# Altium PCB MASOUD.PcbDoc (part 1 of 5)
Units mm, origin at the board's own origin, x right, y up, seen from the top; angles counter-clockwise.
Board outline 244.28 x 142.63 mm, 2 copper layers (Top Layer, Bottom Layer); 506 components, 0 nets, 1687 pads, 863 vias.
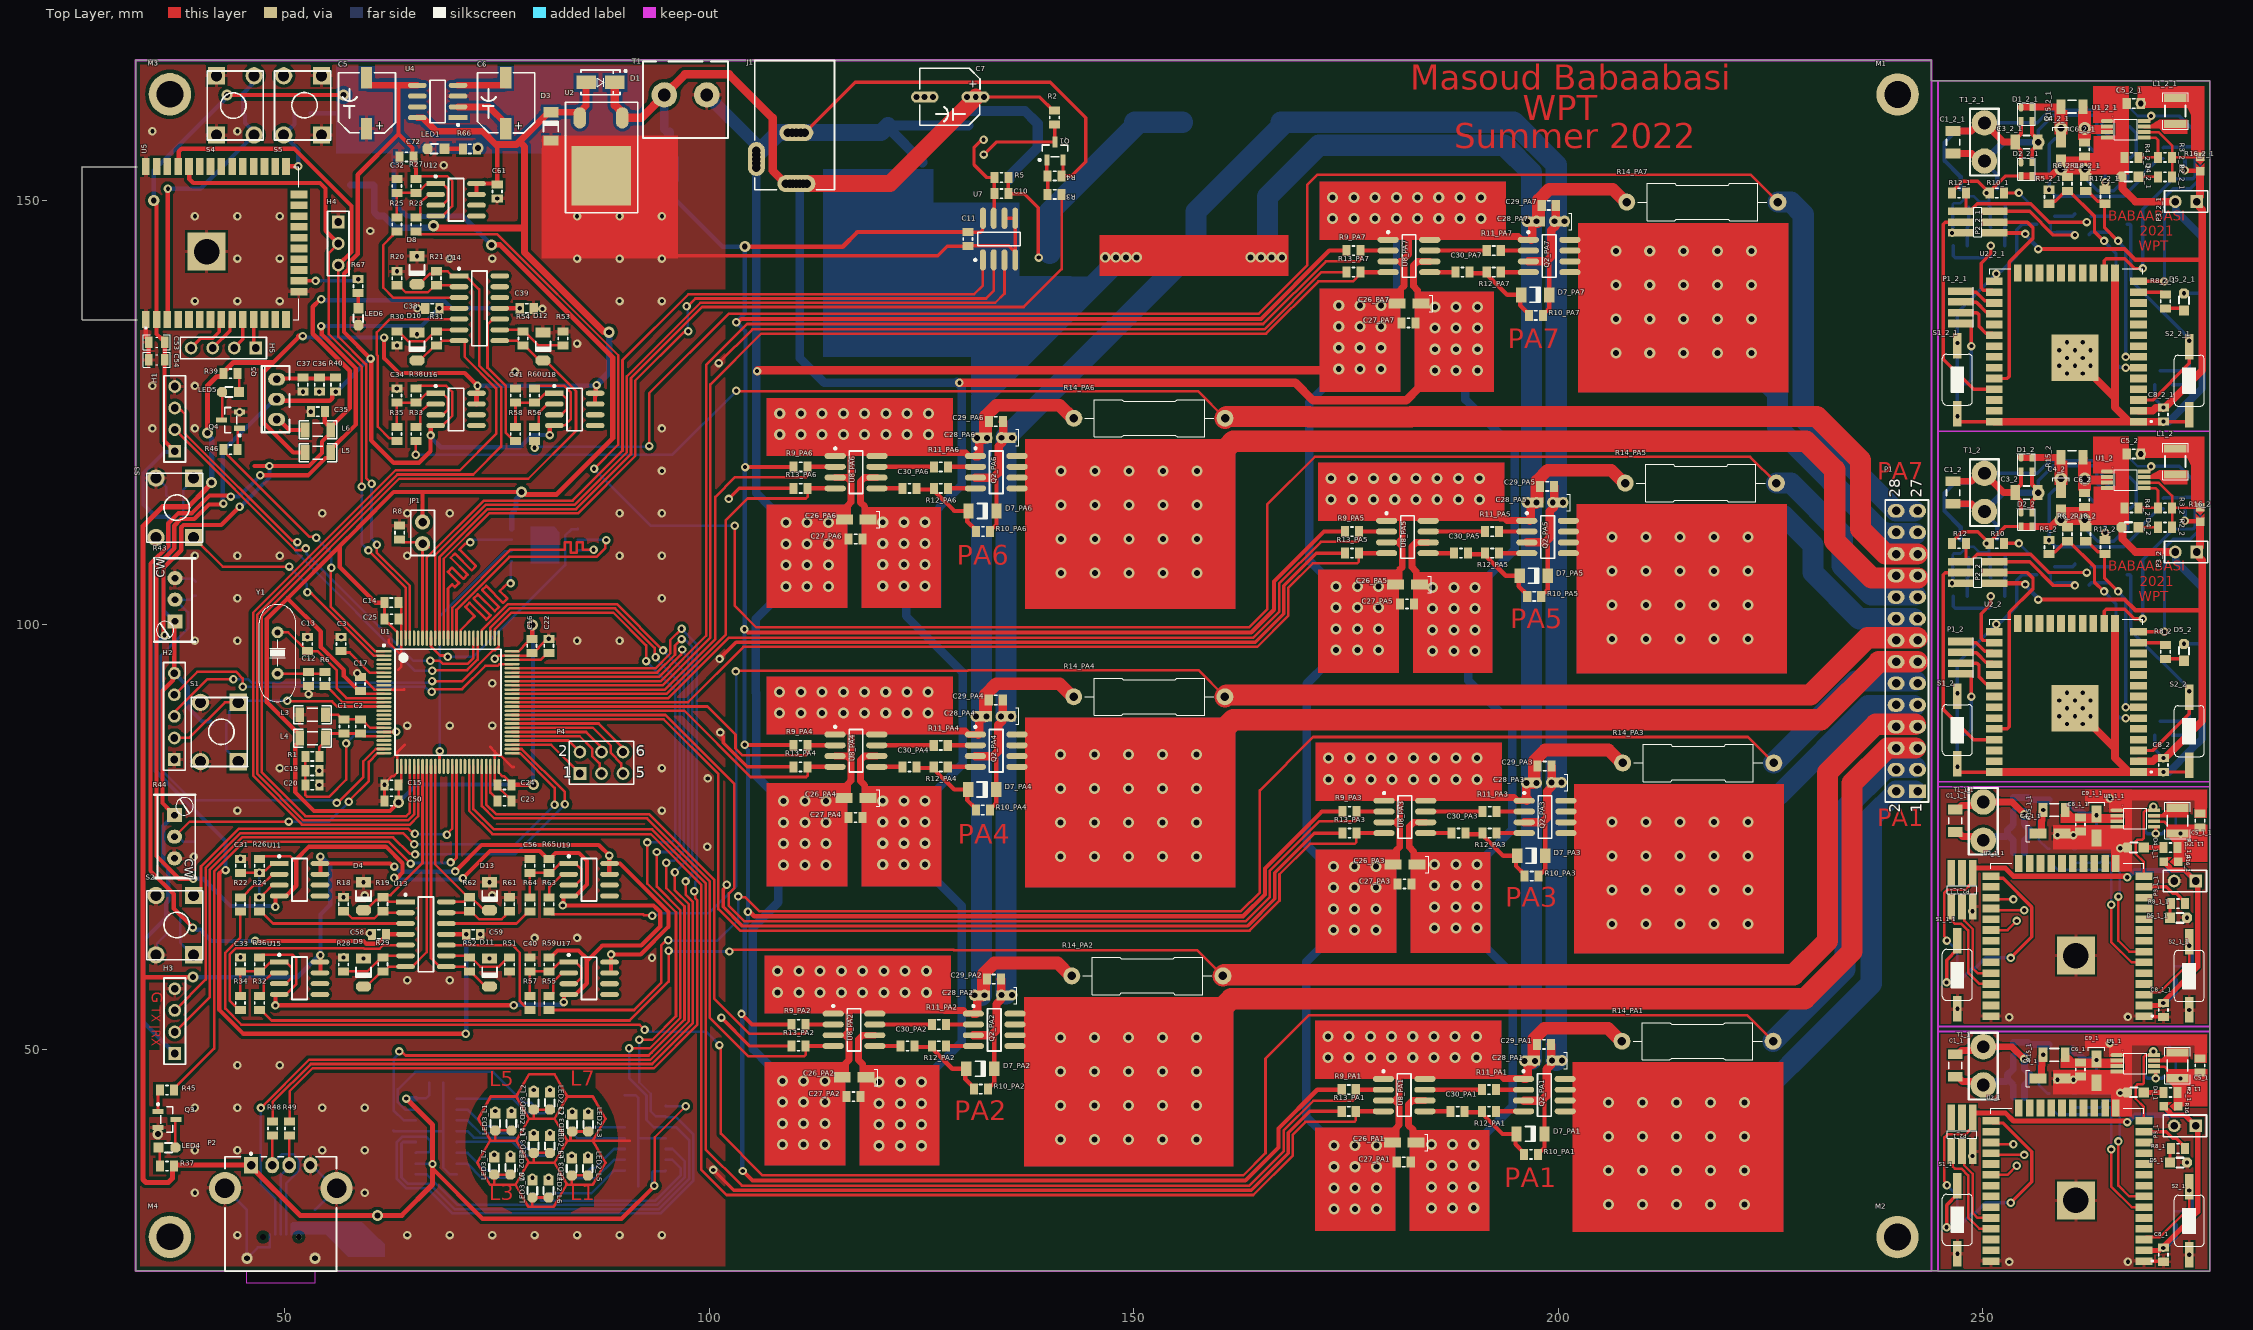
[diagram p0: Top Layer view]
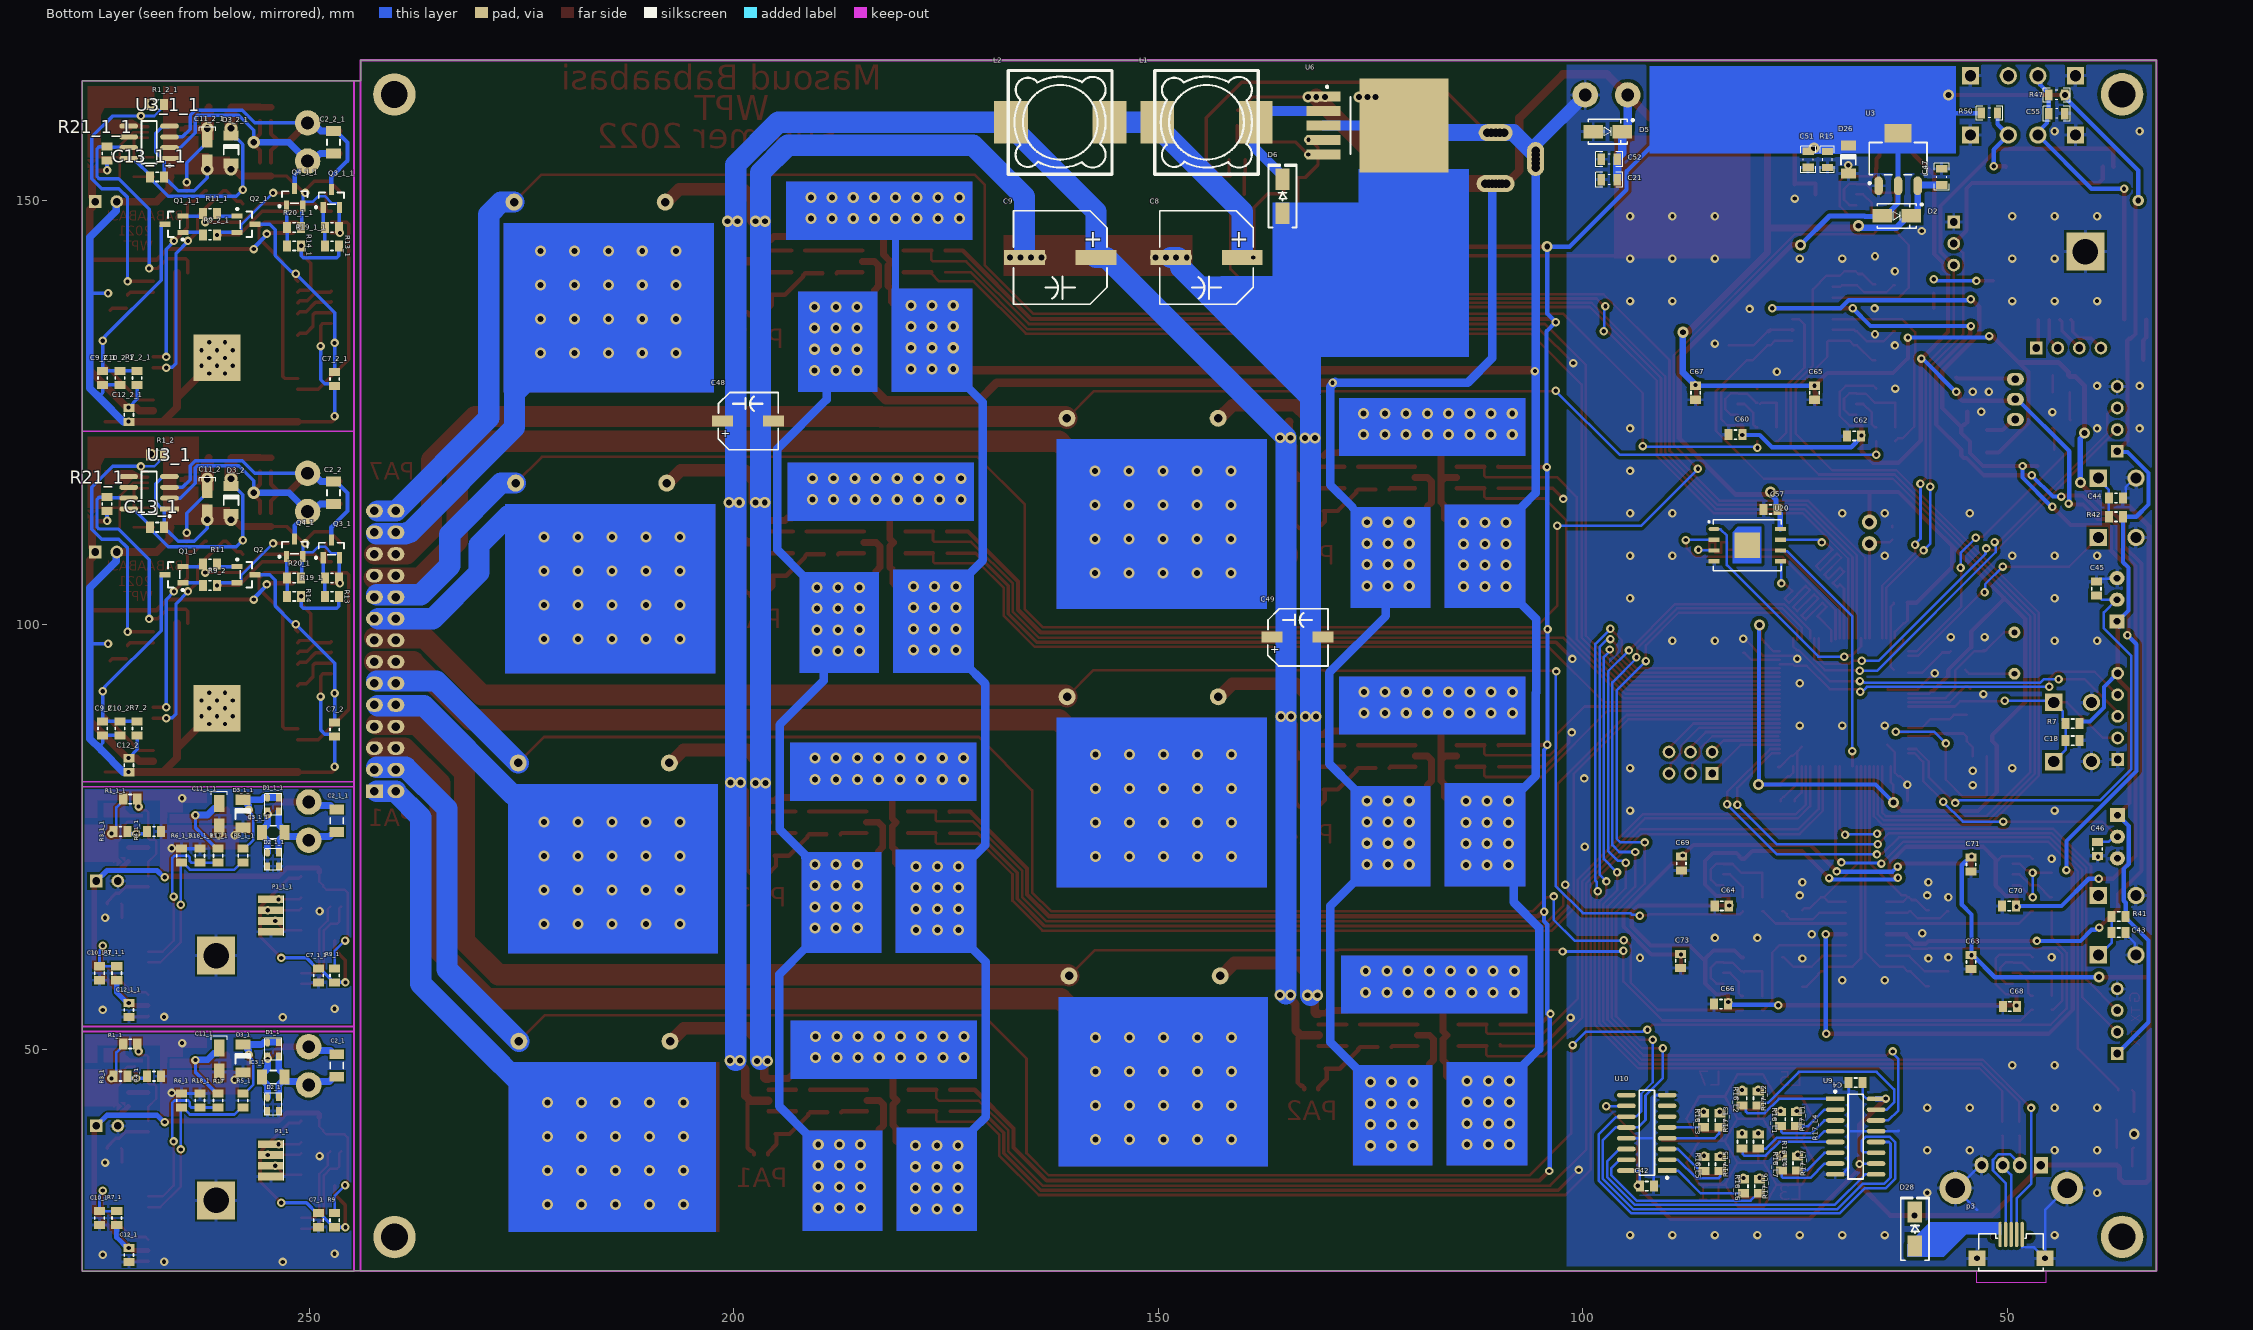
[diagram p1: Bottom Layer view, seen from below]

## Layer stack, top to bottom
Top Solder: solder mask 0.0102, Solder Resist, Dk 3.5
Top Layer: signal copper 0.0356
Dielectric 1: dielectric 0.32, FR-4, Dk 4.8
Bottom Layer: signal copper 0.0356
Bottom Solder: solder mask 0.0102, Solder Resist, Dk 3.5

## Board outline
32.46,23.935 32.46,166.51 243.96,166.51 243.96,164.084 276.736,164.084 276.736,122.813 276.736,81.542 276.733,81.542 276.733,80.958 276.733,52.705 276.733,52.129 276.733,23.876 244.729,23.876 244.729,23.935

## Design rules (kind name [scope] priority, off if disabled: settings)
Clearance [All] p1: gap=0.2 ignorepadtopadclearanceinfootprint=FALSE
PolygonConnect [All] p1: connectstyle=Relief reliefconductorwidth=0.254 reliefentries=4 polygonreliefangle="90 Angle" airgapwidth=0.254
RoomDefinition PA1 [InComponentClass('PA1')] p1: confinementstyle=ConfineIn formatcopy=TRUE lockcomponents=FALSE outline 171.34,28.507 227.093,28.507 227.093,53.399 171.34,53.399
RoomDefinition PA3 [InComponentClass('PA3')] p2: confinementstyle=ConfineIn formatcopy=TRUE lockcomponents=FALSE outline 171.421,61.27 227.174,61.27 227.174,86.162 171.421,86.162
RoomDefinition PA4 [InComponentClass('PA4')] p3: confinementstyle=ConfineIn formatcopy=TRUE lockcomponents=FALSE outline 106.778,69.069 162.531,69.069 162.531,93.961 106.778,93.961
RoomDefinition PA5 [InComponentClass('PA5')] p4: confinementstyle=ConfineIn formatcopy=TRUE lockcomponents=FALSE outline 171.722,94.234 227.475,94.234 227.475,119.126 171.722,119.126
RoomDefinition PA7 [InComponentClass('PA7')] p5: confinementstyle=ConfineIn formatcopy=TRUE lockcomponents=FALSE outline 171.903,127.325 227.656,127.325 227.656,152.217 171.903,152.217
RoomDefinition PA2 [InComponentClass('PA2')] p6: confinementstyle=ConfineIn formatcopy=TRUE lockcomponents=FALSE outline 106.55,36.192 162.303,36.192 162.303,61.084 106.55,61.084
RoomDefinition PA6 [InComponentClass('PA6')] p7: confinementstyle=ConfineIn formatcopy=TRUE lockcomponents=FALSE outline 106.792,101.866 162.545,101.866 162.545,126.758 106.792,126.758
RoutingVias [All] p1: holewidth=0.711 width=1.27 viastyle="Through Hole" minholewidth=0.711 minwidth=1.27 maxholewidth=0.711 maxwidth=1.27
SolderMaskExpansion [All] p1: expansion=0.102 istentingtop=FALSE
Width [All] p1: maxlimit=2.5 minlimit=0.2 preferedwidth=0.254
30 further rules are at their usual default settings.

## Components (designator, comment, footprint, x,y, rotation, side; value= is the part's Value field where it differs from the comment)
C1 "4.7uF" SMD_CAP_0805 57.035,88.874 r270 top
C1_1 "Cap" "Cap 1206 (3216X15L)" 246.761,48.129 r90 top value=8.2nF (schematic designator C1)
C1_1_1 "Cap" "Cap 1206 (3216X15L)" 246.761,76.958 r90 top value=8.2nF (schematic designator C1)
C1_2 "Cap" "Cap 1206 (3216X15L)" 246.51,115.592 r90 top value=8.2nF (schematic designator C1)
C1_2_1 "Cap" "Cap 1206 (3216X15L)" 246.51,156.863 r90 top value=8.2nF (schematic designator C1)
C2 "100nF" SMD_CAP_0805 58.935,88.874 r270 top
C2_1 "Cap" "Cap 1206 (3216X15L)" 246.761,48.129 r90 bottom value=4.7nF (schematic designator C2)
C2_1_1 "Cap" "Cap 1206 (3216X15L)" 246.761,76.958 r90 bottom value=4.7nF (schematic designator C2)
C2_2 "Cap" "Cap 1206 (3216X15L)" 247.145,115.574 r90 bottom value=4.7nF (schematic designator C2)
C2_2_1 "Cap" "Cap 1206 (3216X15L)" 247.145,156.845 r90 bottom value=4.7nF (schematic designator C2)
C3 "100nF" SMD_CAP_0805 56.685,98.574 r270 top
C3_1 "Cap" "Cap 1206 (3216X15L)" 254.254,46.75 r0 bottom value=2.2nF (schematic designator C3)
C3_1_1 "Cap" "Cap 1206 (3216X15L)" 254.254,75.579 r0 bottom value=2.2nF (schematic designator C3)
C3_2 "Cap" "Cap 1206 (3216X15L)" 255.146,115.592 r180 top value=2.2nF (schematic designator C3)
C3_2_1 "Cap" "Cap 1206 (3216X15L)" 255.146,156.863 r180 top value=2.2nF (schematic designator C3)
C4 "100nF" SMD_CAP_0805 67.06,46.099 r0 bottom
C4_1 "Cap tantal" "Cap1206_(3216X18L)Size A" 256.534,46.605 r0 top (schematic designator C4)
C4_1_1 "Cap tantal" "Cap1206_(3216X18L)Size A" 256.534,75.434 r0 top (schematic designator C4)
C4_2 "Cap tantal" "Cap1206_(3216X18L)Size A" 259.21,115.961 r270 top (schematic designator C4)
C4_2_1 "Cap tantal" "Cap1206_(3216X18L)Size A" 259.21,157.232 r270 top (schematic designator C4)
C5 "100uF" "Cap SMD electrolite-6.3mm" 59.66,161.548 r270 top
C5_1 "seramic" SMD_CAP_0805 275.59,48.954 r270 top value=22uF (schematic designator C5)
C5_1_1 "seramic" SMD_CAP_0805 275.59,77.783 r270 top value=22uF (schematic designator C5)
C5_2 "seramic" SMD_CAP_0805 266.958,120.146 r0 top value=22uF (schematic designator C5)
C5_2_1 "seramic" SMD_CAP_0805 266.958,161.417 r0 top value=22uF (schematic designator C5)
C6 "100uF" "Cap SMD electrolite-6.3mm" 76.035,161.548 r270 top
C6_1 "seramic" SMD_CAP_0805 261.493,46.838 r90 top value=100nF (schematic designator C6)
C6_1_1 "seramic" SMD_CAP_0805 261.493,75.667 r90 top value=100nF (schematic designator C6)
C6_2 "seramic" SMD_CAP_0805 262.004,113.908 r90 top value=100nF (schematic designator C6)
C6_2_1 "seramic" SMD_CAP_0805 262.004,155.179 r90 top value=100nF (schematic designator C6)
C7 "" "Cap SMD electrolite-6.3mm" 128.31,162.149 r0 top value=100uF
C7_1 "seramic" SMD_CAP_0805 248.92,30.729 r270 bottom value=100nF (schematic designator C7)
C7_1_1 "seramic" SMD_CAP_0805 248.92,59.558 r270 bottom value=100nF (schematic designator C7)
C7_2 "seramic" SMD_CAP_0805 247.018,88.523 r270 bottom value=100nF (schematic designator C7)
C7_2_1 "seramic" SMD_CAP_0805 247.018,129.794 r270 bottom value=100nF (schematic designator C7)
C8 "" "Cap SMD electrolite-10.3mm" 144.335,143.274 r180 bottom value=1000uF
C8_1 "seramic" SMD_CAP_0805 271.272,25.016 r90 top value=100nF (schematic designator C8)
C8_1_1 "seramic" SMD_CAP_0805 271.272,53.845 r90 top value=100nF (schematic designator C8)
C8_2 "seramic" SMD_CAP_0805 271.275,82.682 r90 top value=100nF (schematic designator C8)
C8_2_1 "seramic" SMD_CAP_0805 271.275,123.953 r90 top value=100nF (schematic designator C8)
C9 "" "Cap SMD electrolite-10.3mm" 161.56,143.274 r180 bottom value=1000uF
C9_1 "Cap tantal" "Cap1206_(3216X18L)Size A" 263.398,48.891 r270 top (schematic designator C9)
C9_1_1 "Cap tantal" "Cap1206_(3216X18L)Size A" 263.398,77.72 r270 top (schematic designator C9)
C9_2 "seramic" SMD_CAP_0805 274.323,88.65 r270 bottom value=100nF (schematic designator C9)
C9_2_1 "seramic" SMD_CAP_0805 274.323,129.921 r270 bottom value=100nF (schematic designator C9)
C10 "10nF" SMD_CAP_0805 135.26,150.799 r180 top
C10_1 "seramic" SMD_CAP_0805 274.701,30.983 r270 bottom value=100nF (schematic designator C10)
C10_1_1 "seramic" SMD_CAP_0805 274.701,59.812 r270 bottom value=100nF (schematic designator C10)
C10_2 "seramic" SMD_CAP_0805 272.291,88.649 r270 bottom value=100nF (schematic designator C10)
C10_2_1 "seramic" SMD_CAP_0805 272.291,129.92 r270 bottom value=100nF (schematic designator C10)
C11 "100nF" SMD_CAP_0805 130.485,144.624 r90 top
C11_1 "Cap tantal" "Cap1206_(3216X18L)Size A" 260.604,50.166 r270 bottom (schematic designator C11)
C11_1_1 "Cap tantal" "Cap1206_(3216X18L)Size A" 260.604,78.995 r270 bottom (schematic designator C11)
C11_2 "Cap tantal" "Cap1206_(3216X18L)Size A" 262.004,115.961 r270 bottom (schematic designator C11)
C11_2_1 "Cap tantal" "Cap1206_(3216X18L)Size A" 262.004,157.232 r270 bottom (schematic designator C11)
C12 "22pF" SMD_CAP_0805 52.81,92.799 r90 top
C12_1 "seramic" SMD_CAP_0805 271.247,24.991 r90 bottom value=22uF (schematic designator C12)
C12_1_1 "seramic" SMD_CAP_0805 271.247,53.82 r90 bottom value=22uF (schematic designator C12)
C12_2 "seramic" SMD_CAP_0805 271.25,82.657 r90 bottom value=22uF (schematic designator C12)
C12_2_1 "seramic" SMD_CAP_0805 271.25,123.928 r90 bottom value=22uF (schematic designator C12)
C13 "22pF" SMD_CAP_0805 52.71,98.574 r270 top
C13_1 "seramic" SMD_CAP_0805 267.085,111.51 r0 bottom value=100nF (schematic designator C13)
C13_1_1 "seramic" SMD_CAP_0805 267.085,152.781 r0 bottom value=100nF (schematic designator C13)
C14 "100nF" SMD_CAP_0805 63.41,102.624 r180 top
C15 "100nF" SMD_CAP_0805 61.785,81.174 r0 top
C16 "100nF" SMD_CAP_0805 79.135,96.724 r90 top
C17 "100nF" SMD_CAP_0805 58.935,93.874 r270 top
C18 "100nF" SMD_CAP_0805 41.51,86.374 r0 bottom
C19 "4.7uF" SMD_CAP_0805 52.46,82.836 r0 top
C20 "100nF" SMD_CAP_0805 54.11,81.149 r180 top
C21 "cap 10uF" CAP0805 96.91,152.449 r0 bottom value=10uF
C22 "tantal size a" SMD_CAP_0805 81.135,96.724 r90 top value=2.2u
C23 "tantal size a" SMD_CAP_0805 75.085,79.274 r0 top value=2.2u
C24 "100nF" SMD_CAP_0805 75.085,81.174 r0 top
C25 "4.7uF" SMD_CAP_0805 61.785,100.699 r0 top
C26_PA1 "tantal size a" "CAPP 1206 (3216X18L) Size A" 183.278,39.048 r180 top value=10u (schematic designator C26)
C26_PA2 "tantal size a" "CAPP 1206 (3216X18L) Size A" 118.488,46.733 r180 top value=10u (schematic designator C26)
C26_PA3 "tantal size a" "CAPP 1206 (3216X18L) Size A" 183.359,71.811 r180 top value=10u (schematic designator C26)
C26_PA4 "tantal size a" "CAPP 1206 (3216X18L) Size A" 118.716,79.61 r180 top value=10u (schematic designator C26)
C26_PA5 "tantal size a" "CAPP 1206 (3216X18L) Size A" 183.66,104.775 r180 top value=10u (schematic designator C26)
C26_PA6 "tantal size a" "CAPP 1206 (3216X18L) Size A" 118.73,112.407 r180 top value=10u (schematic designator C26)
C26_PA7 "tantal size a" "CAPP 1206 (3216X18L) Size A" 183.841,137.866 r180 top value=10u (schematic designator C26)
C27_PA1 "100nF" SMD_CAP_0805 182.643,36.762 r180 top (schematic designator C27)
C27_PA2 "100nF" SMD_CAP_0805 117.853,44.447 r180 top (schematic designator C27)
C27_PA3 "100nF" SMD_CAP_0805 182.724,69.525 r180 top (schematic designator C27)
C27_PA4 "100nF" SMD_CAP_0805 118.081,77.324 r180 top (schematic designator C27)
C27_PA5 "100nF" SMD_CAP_0805 183.025,102.489 r180 top (schematic designator C27)
C27_PA6 "100nF" SMD_CAP_0805 118.095,110.121 r180 top (schematic designator C27)
C27_PA7 "100nF" SMD_CAP_0805 183.206,135.58 r180 top (schematic designator C27)
C28_PA1 "tantal size a" "CAPP 1206 (3216X18L) Size A" 199.667,48.7 r180 top value=100u (schematic designator C28)
C28_PA2 "tantal size a" "CAPP 1206 (3216X18L) Size A" 134.877,56.385 r180 top value=100u (schematic designator C28)
C28_PA3 "tantal size a" "CAPP 1206 (3216X18L) Size A" 199.748,81.463 r180 top value=100u (schematic designator C28)
C28_PA4 "tantal size a" "CAPP 1206 (3216X18L) Size A" 135.105,89.262 r180 top value=100u (schematic designator C28)
C28_PA5 "tantal size a" "CAPP 1206 (3216X18L) Size A" 200.049,114.427 r180 top value=100u (schematic designator C28)
C28_PA6 "tantal size a" "CAPP 1206 (3216X18L) Size A" 135.119,122.059 r180 top value=100u (schematic designator C28)
C28_PA7 "tantal size a" "CAPP 1206 (3216X18L) Size A" 200.23,147.518 r180 top value=100u (schematic designator C28)
C29_PA1 "100nF" SMD_CAP_0805 199.152,50.605 r180 top (schematic designator C29)
C29_PA2 "100nF" SMD_CAP_0805 134.362,58.29 r180 top (schematic designator C29)
C29_PA3 "100nF" SMD_CAP_0805 199.233,83.368 r180 top (schematic designator C29)
C29_PA4 "100nF" SMD_CAP_0805 134.59,91.167 r180 top (schematic designator C29)
C29_PA5 "100nF" SMD_CAP_0805 199.534,116.332 r180 top (schematic designator C29)
C29_PA6 "100nF" SMD_CAP_0805 134.604,123.964 r180 top (schematic designator C29)
C29_PA7 "100nF" SMD_CAP_0805 199.715,149.423 r180 top (schematic designator C29)
C30_PA1 "10nF" SMD_CAP_0805 187.343,42.731 r0 top (schematic designator C30)
C30_PA2 "10nF" SMD_CAP_0805 122.553,50.416 r0 top (schematic designator C30)
C30_PA3 "10nF" SMD_CAP_0805 187.424,75.494 r0 top (schematic designator C30)
C30_PA4 "10nF" SMD_CAP_0805 122.781,83.293 r0 top (schematic designator C30)
C30_PA5 "10nF" SMD_CAP_0805 187.725,108.458 r0 top (schematic designator C30)
C30_PA6 "10nF" SMD_CAP_0805 122.795,116.09 r0 top (schematic designator C30)
C30_PA7 "10nF" SMD_CAP_0805 187.906,141.549 r0 top (schematic designator C30)
C31 "1uF" SMD_CAP_0805 44.81,72.464 r270 top
C32 "1uF" SMD_CAP_0805 63.235,152.534 r270 top
C33 "1uF" SMD_CAP_0805 44.81,60.859 r270 top
C34 "1uF" SMD_CAP_0805 63.235,127.849 r270 top
C35 "10uF" SMD_CAP_0805 53.11,125.124 r0 top
C36 "10uF" SMD_CAP_0805 54.11,127.474 r90 top
C37 "10uF" SMD_CAP_0805 52.185,127.474 r90 top
C38 "100nF" SMD_CAP_0805 66.585,137.294 r0 top
C39 "100nF" SMD_CAP_0805 79.36,137.294 r180 top
C40 "1uF" SMD_CAP_0805 78.91,60.849 r270 top
C41 "1uF" SMD_CAP_0805 77.21,127.839 r270 top
C42 "100nF" SMD_CAP_0805 93.31,33.924 r180 bottom
C43 "100nF" SMD_CAP_0805 36.085,63.774 r0 bottom
C44 "100nF" SMD_CAP_0805 36.41,114.949 r0 bottom
C45 "100nF" SMD_CAP_0805 39.535,105.099 r270 bottom
C46 "100nF" SMD_CAP_0805 39.41,72.799 r90 bottom
C47 "cap 10uF" CAP0805 57.76,152.774 r90 bottom value=10uF
C48 "" "Cap SMD electrolite-6.3mm" 198.235,124.074 r0 bottom value=100uF
C49 "" "Cap SMD electrolite-6.3mm" 133.51,98.599 r0 bottom value=100uF
C50 "100nF" SMD_CAP_0805 63.435,79.274 r180 top
C51 "cap 10uF" CAP0805 73.485,154.824 r270 bottom value=10uF
C52 "cap 100nF" CAP0805 96.91,154.849 r0 bottom value=100nF
C53 "100nF" CAP0805 34.96,133.299 r0 top
C54 "10uF" CAP0805 34.96,131.224 r0 top
C55 "100nF" CAP0805 44.21,160.226 r0 bottom
C56 "1uF" SMD_CAP_0805 78.91,72.464 r270 top
C57 "cap 100nF" "Cap 805" 78.735,113.624 r180 bottom value=100nF
C58 "100nF" SMD_CAP_0805 60.285,63.574 r0 top
C59 "100nF" SMD_CAP_0805 73.06,63.574 r180 top
C60 "100nF" SMD_CAP_0805 82.86,122.424 r180 bottom
C61 "100nF" SMD_CAP_0805 75.06,150.224 r90 top
C62 "100nF" SMD_CAP_0805 68.885,122.274 r180 bottom
C63 "100nF" SMD_CAP_0805 54.285,59.474 r90 bottom
C64 "100nF" SMD_CAP_0805 84.485,66.924 r180 bottom
C65 "100nF" SMD_CAP_0805 72.735,126.524 r90 bottom
C66 "100nF" SMD_CAP_0805 84.585,55.349 r180 bottom
C67 "100nF" SMD_CAP_0805 86.735,126.524 r90 bottom
C68 "100nF" SMD_CAP_0805 50.56,55.074 r180 bottom
C69 "100nF" SMD_CAP_0805 88.41,71.074 r90 bottom
C70 "100nF" SMD_CAP_0805 50.635,66.899 r180 bottom
C71 "100nF" SMD_CAP_0805 54.285,70.974 r90 bottom
C72 "100nF" SMD_CAP_0805 63.56,155.124 r0 top
C73 "100nF" SMD_CAP_0805 88.51,59.624 r90 bottom
D1 "uf4007" DIOM4629X24N 87.224,163.899 r0 top
D1_1 "schotcky diode" UMD4 254.254,50.034 r180 bottom (schematic designator D1)
D1_1_1 "schotcky diode" UMD4 254.254,78.863 r180 bottom (schematic designator D1)
D1_2 "schotcky diode" UMD4 255.146,118.876 r0 top (schematic designator D1)
D1_2_1 "schotcky diode" UMD4 255.146,160.147 r0 top (schematic designator D1)
D2 "uf4007" DIOM4629X24N 63.06,148.174 r180 bottom
D2_1 "schotcky diode" UMD4 254.254,43.557 r180 bottom (schematic designator D2)
D2_1_1 "schotcky diode" UMD4 254.254,72.386 r180 bottom (schematic designator D2)
D2_2 "schotcky diode" UMD4 255.146,112.399 r0 top (schematic designator D2)
D2_2_1 "schotcky diode" UMD4 255.146,153.67 r0 top (schematic designator D2)
D3 "5.1V" "Diode 1n4148 SMD" 81.385,157.074 r90 top locked
D3_1 "15v zener" "Diode 1n4148 SMD" 257.81,47.289 r90 bottom (schematic designator D3)
D3_1_1 "15v zener" "Diode 1n4148 SMD" 257.81,76.118 r90 bottom (schematic designator D3)
D3_2 "15v zener" "Diode 1n4148 SMD" 259.21,113.083 r90 bottom (schematic designator D3)
D3_2_1 "15v zener" "Diode 1n4148 SMD" 259.21,154.354 r90 bottom (schematic designator D3)
D4 "1N4148" LL4148#1 59.31,68.064 r270 top
D4_1 "LED1" led_0805 267.971,44.954 r180 top (schematic designator D4)
D4_1_1 "LED1" led_0805 267.971,73.783 r180 top (schematic designator D4)
D4_2 "LED1" led_0805 267.339,111.51 r180 top (schematic designator D4)
D4_2_1 "LED1" led_0805 267.339,152.781 r180 top (schematic designator D4)
D5 "uf4007" DIOM4629X24N 97.085,158.099 r180 bottom
D5_1 "LED1" led_0805 273.05,36.699 r0 top (schematic designator D5)
D5_1_1 "LED1" led_0805 273.05,65.528 r0 top (schematic designator D5)
D5_2 "LED1" led_0805 273.688,96.778 r90 top (schematic designator D5)
D5_2_1 "LED1" led_0805 273.688,138.049 r90 top (schematic designator D5)
D6 "1n5822" "DO214AC SMA" 135.385,150.499 r270 bottom
D7_PA1 "1N4148" LL4148#2 196.74,40.064 r0 top (schematic designator D7)
D7_PA2 "1N4148" LL4148#2 131.95,47.749 r0 top (schematic designator D7)
D7_PA3 "1N4148" LL4148#2 196.821,72.827 r0 top (schematic designator D7)
D7_PA4 "1N4148" LL4148#2 132.178,80.626 r0 top (schematic designator D7)
D7_PA5 "1N4148" LL4148#2 197.122,105.791 r0 top (schematic designator D7)
D7_PA6 "1N4148" LL4148#2 132.192,113.423 r0 top (schematic designator D7)
D7_PA7 "1N4148" LL4148#2 197.303,138.882 r0 top (schematic designator D7)
D8 "1N4148" LL4148#1 65.61,141.784 r270 top
D9 "1N4148" LL4148#1 59.31,59.084 r270 top
D10 "1N4148" LL4148#1 65.61,132.804 r270 top
D11 "1N4148" LL4148#1 74.16,59.074 r270 top
D12 "1N4148" LL4148#1 80.46,132.804 r270 top
D13 "1N4148" LL4148#1 74.16,68.064 r270 top
D26 "3.3V" "Diode 1n4148 SMD" 68.735,153.174 r90 bottom
D28 "1n5822" "DO214AC SMA" 60.91,28.874 r270 bottom
H1 "USB to TTL" HDR1X4 37.085,120.469 r90 top
H2 "Header 5" HDR1X5 37.035,84.159 r90 top
H3 "USB to TTL" HDR1X4 37.085,49.534 r90 top
H4 "Header 3" HDR1X3 56.335,147.465 r270 top locked
H5 "USB to TTL" HDR1X4 46.625,132.624 r180 top
J1 "Power Jack" "Power Jack" 110.285,166.474 r270 top
JP1 "Jumper" "Jumper Small - 2.54 - GRAY" 66.26,110.849 r270 top
L1 "Inductor" inductor 144.335,159.199 r270 bottom value=100uH
L1_1 "Inductor" IND1210 272.923,48.129 r270 top value=2.2uH (schematic designator L1)
L1_1_1 "Inductor" IND1210 272.923,76.958 r270 top value=2.2uH (schematic designator L1)
L1_2 "Inductor" IND1210 272.672,119.257 r90 top value=2.2uH (schematic designator L1)
L1_2_1 "Inductor" IND1210 272.672,160.528 r90 top value=2.2uH (schematic designator L1)
L2 "Inductor" inductor 161.56,159.199 r270 bottom value=100uH
L3 "inductor 10uH" IND1206 53.31,89.422 r0 top value=10uH
L4 "inductor 10uH" IND1206 53.31,86.676 r0 top value=10uH
L5 "inductor 10uH" IND1206 53.935,120.299 r0 top value=10uH